# KiCad board IO_SDR_1.1.kicad_pcb (continued)
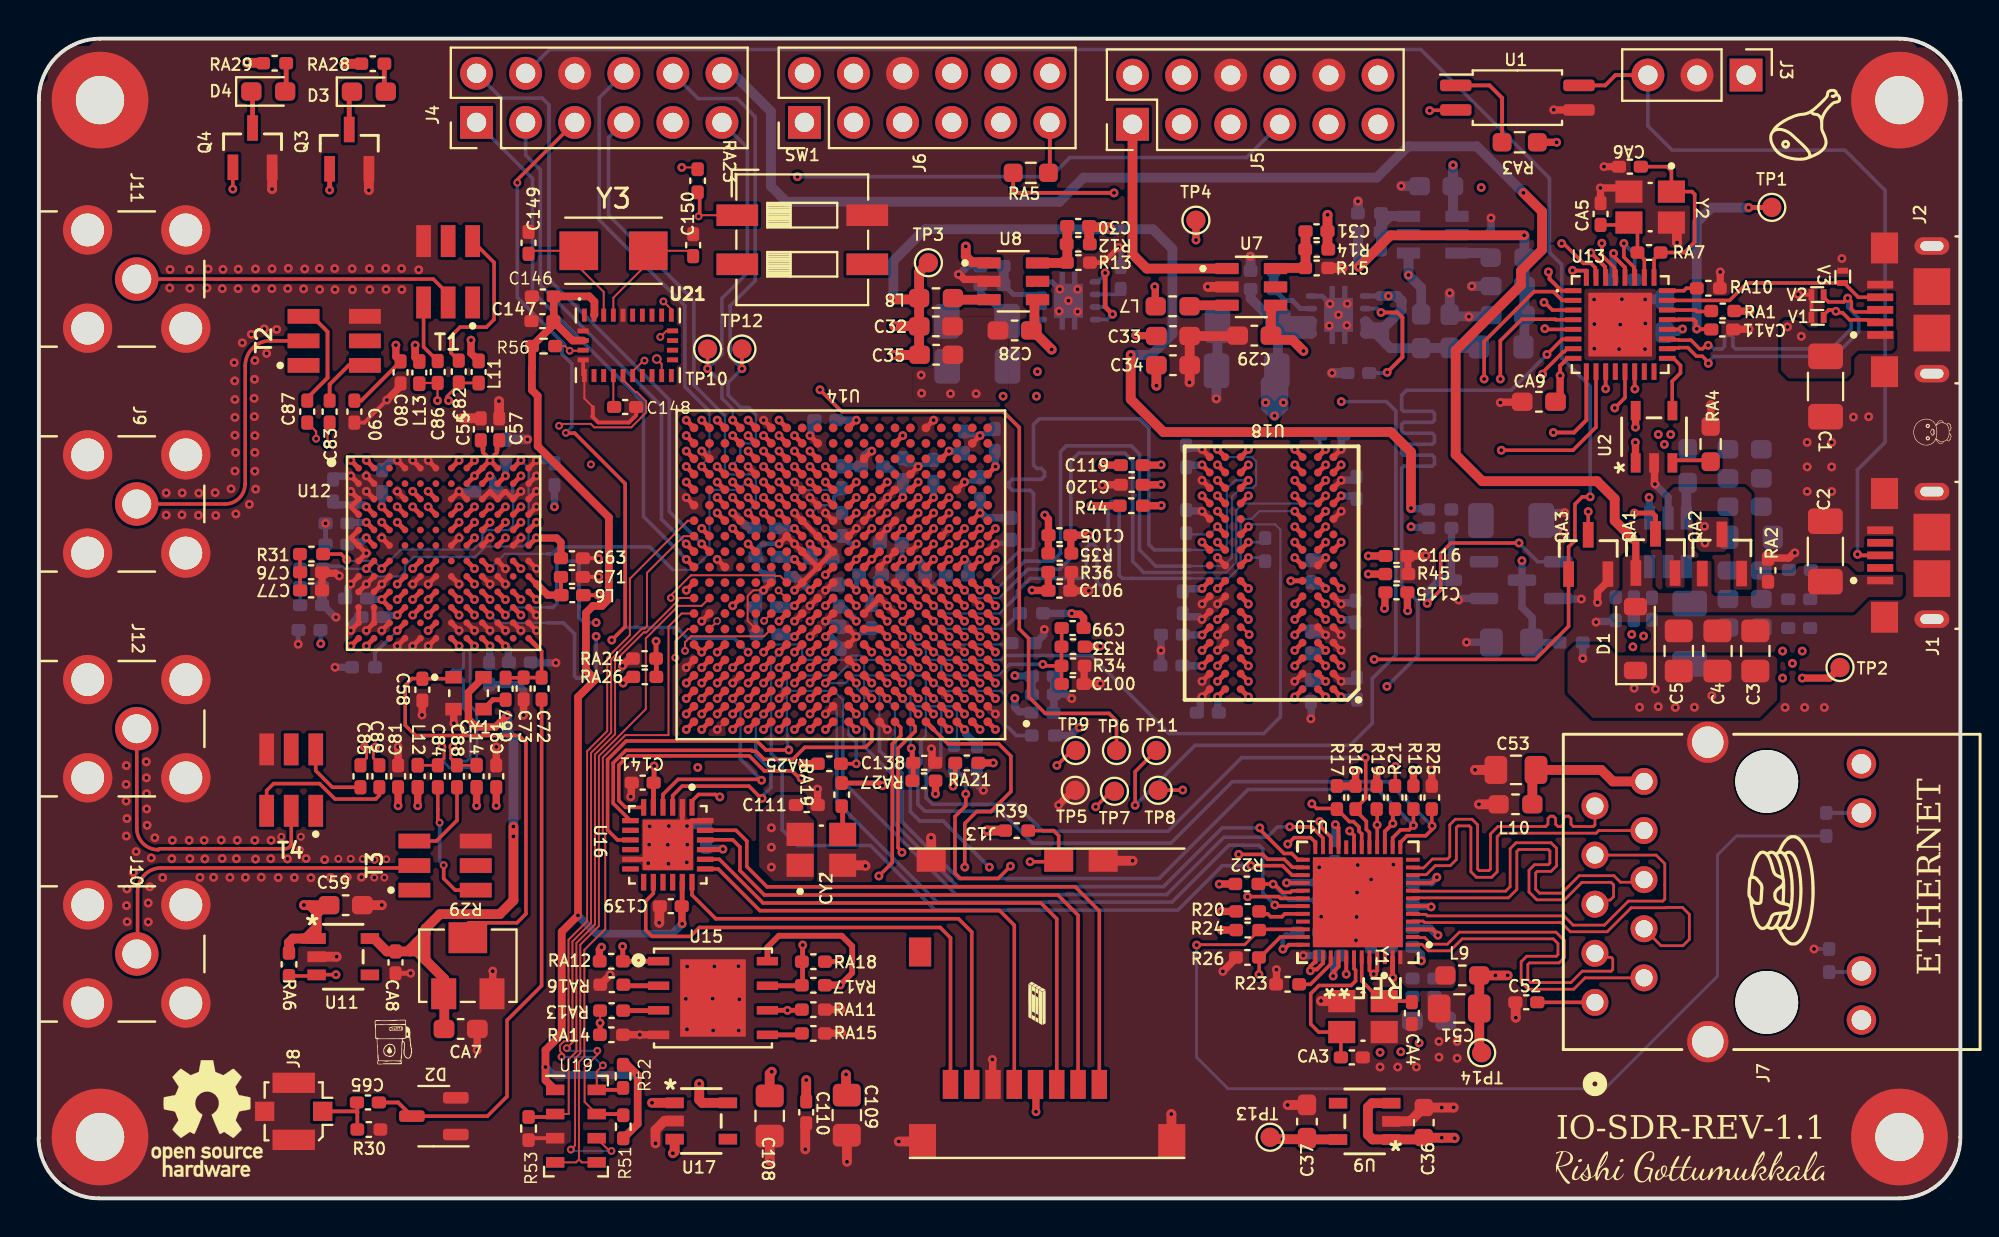
[diagram p0: board, top side]
## Routing (per net, layer and track width the routed paths; a pad name or vN(x,y) marks a point on that pad's centre or on a via; arc(x,y) is an arc through that point) (continued)
IO_L15_34_TX_D1: length 20.9
  Top.Cu w0.254: v1(34.31,40.25) U14.Y19 ; U12.D11 v1(24.95,35.77)
  In2_Sig1.Cu w0.113: v1(34.31,40.25) 34.32,40.24 34.32,39.92 34.38,39.85 35.41,39.85 35.51,39.75 35.51,39.28 35.27,39.05 34.15,39.05 33.91,38.81 33.91,38.48 33.67,38.25 32.77,38.25 31.82,37.3 31.1,37.3 30.98,37.17 30.98,36.43 30.85,36.3 30.67,36.3 30.54,36.43 30.54,37.28 30.42,37.4 30.24,37.4 30.11,37.28 30.11,36.43 29.98,36.3 29.81,36.3 29.68,36.43 29.68,37.28 29.55,37.4 29.38,37.4 29.25,37.28 29.25,36.43 29.12,36.3 28.95,36.3 28.82,36.43 28.82,37.17 28.69,37.3 28.16,37.3 27.34,36.48 26.62,36.48 26.31,36.16 25.44,36.16 25.04,35.77 v1(24.95,35.77)
IO_L15P_T2: length 37.3
  Top.Cu w0.254: U14.F19 v1(34.31,28.25) U14.F20
  In2_Sig1.Cu w0.113: J6.2 37.86,56.43 37.86,48.99 40.55,46.3 40.55,42.24 41.56,41.23 41.56,35.42 41.11,34.96 41.11,34.48 40.88,34.25 39.75,34.25 39.51,34.01 39.51,33.68 39.27,33.45 38.92,33.45 36.35,30.88 36.22,30.88 36.3,30.81 36.3,30.24 v1(34.31,28.25)
IO_L16_34_TX_D2: length 20.3
  Top.Cu w0.254: U12.E11 v1(24.95,34.97) ; v1(33.51,37.85) U14.U20
  In2_Sig1.Cu w0.113: 24.96,34.97 24.96,35.3 24.89,35.37 24.62,35.37 24.56,35.3 24.56,34 24.79,33.77 25.92,33.77 26.15,34 26.15,34.96 26.38,35.19 27.31,35.19 27.44,35.32 27.44,36.07 27.57,36.2 27.74,36.2 27.87,36.07 27.87,35.3 28,35.17 28.17,35.17 28.3,35.3 28.3,35.98 28.43,36.11 28.6,36.11 28.73,35.98 28.73,35.3 28.86,35.17 29.03,35.17 29.16,35.3 29.16,35.89 29.29,36.01 29.47,36.01 29.6,35.89 29.6,35.3 29.72,35.17 29.9,35.17 30.03,35.3 30.03,35.89 30.16,36.01 30.33,36.01 30.46,35.89 30.46,35.49 30.59,35.36 30.77,35.36 33.21,37.79 33.46,37.79 v1(33.51,37.85)
IO_L16_34_TX_D3: length 20
  Top.Cu w0.254: U12.D10 v1(24.15,35.77) ; v1(33.51,38.65) U14.V20
  In2_Sig1.Cu w0.113: v1(24.15,35.77) 24.55,36.16 25.12,36.16 25.35,36.4 25.35,36.73 25.59,36.96 26.31,36.96 26.64,37.3 26.64,37.48 26.45,37.66 26.45,37.85 26.58,37.97 26.76,37.97 27.45,37.28 27.63,37.28 27.75,37.4 27.75,37.58 27.43,37.9 27.43,38.09 27.99,38.65 28.81,38.65 28.94,38.52 28.94,37.82 29.07,37.69 29.24,37.69 29.37,37.82 29.37,38.52 29.5,38.65 29.67,38.65 29.8,38.52 29.8,37.82 29.93,37.69 30.1,37.69 30.23,37.82 30.23,38.52 30.36,38.65 30.53,38.65 30.66,38.52 30.66,37.82 30.79,37.69 30.96,37.69 31.09,37.82 31.09,38.52 31.22,38.65 31.39,38.65 31.52,38.52 31.52,37.97 31.65,37.84 31.83,37.84 31.96,37.97 31.96,38.52 32.08,38.65 v1(33.51,38.65)
IO_L17_34_TX_D4: length 20.8
  Top.Cu w0.254: v1(33.51,39.45) U14.W20 ; U12.E10 v1(24.15,34.97)
  In2_Sig1.Cu w0.113: v1(33.51,39.45) 32.41,39.45 32.28,39.58 32.28,39.9 32.16,40.03 31.98,40.03 31.85,39.9 31.85,39.07 31.72,38.94 31.55,38.94 31.42,39.07 31.42,39.9 31.29,40.03 31.12,40.03 30.99,39.9 30.99,39.07 30.86,38.94 30.69,38.94 30.56,39.07 30.56,39.32 30.43,39.45 30.26,39.45 30.13,39.32 30.13,39.07 30,38.94 29.83,38.94 29.7,39.07 29.7,39.32 29.57,39.45 29.4,39.45 29.27,39.32 29.27,39.07 29.14,38.94 28.97,38.94 28.84,39.07 28.84,39.32 28.71,39.45 27.65,39.45 27.34,39.14 27.34,38.96 27.53,38.78 27.53,38.59 27.4,38.47 27.22,38.47 26.51,39.18 26.33,39.18 26.21,39.06 26.21,38.87 26.55,38.53 26.55,38.35 25.97,37.77 25.59,37.77 25.35,37.53 25.35,37.2 25.12,36.96 24.79,36.96 23.76,35.93 23.76,35.36 v1(24.15,34.97)
IO_L17_34_TX_D5: length 20.7
  Top.Cu w0.254: U12.D9 v1(23.35,35.77) ; v1(35.11,40.25) U14.Y18
  In2_Sig1.Cu w0.113: v1(23.35,35.77) 23.41,35.82 23.41,36.05 24.55,37.19 24.55,37.53 24.79,37.77 25.12,37.77 25.36,38.01 25.36,38.33 25.83,38.8 25.83,39.99 26.15,40.32 27.39,40.32 27.52,40.19 27.52,39.87 27.64,39.74 27.82,39.74 27.95,39.87 27.95,40.35 28.08,40.48 28.25,40.48 28.38,40.35 28.38,39.87 28.51,39.74 28.68,39.74 28.81,39.87 28.81,40.35 28.94,40.48 29.11,40.48 29.24,40.35 29.24,39.87 29.37,39.74 29.54,39.74 29.67,39.87 29.67,40.35 29.8,40.48 29.97,40.48 30.1,40.35 30.1,39.87 30.23,39.74 30.4,39.74 30.53,39.87 30.53,40.19 30.66,40.32 32.05,40.32 32.37,40.65 34.71,40.65 v1(35.11,40.25)
IO_L18_34_TX_D6: length 20.3
  Top.Cu w0.254: U12.E9 v1(23.35,34.97) ; v1(36.71,39.45) U14.W16
  In2_Sig1.Cu w0.113: v1(36.71,39.45) 36.31,39.85 36.31,40.45 35.64,41.12 26.27,41.12 24.17,39.02 24.17,38.31 23.75,37.89 23.75,37.13 22.96,36.33 22.96,35.45 23.35,35.05 v1(23.35,34.97)
IO_L18_34_TX_D7: length 20
  Top.Cu w0.254: v1(36.71,38.65) U14.V16 ; 22.15,35.37 v1(22.55,35.77)
  In2_Sig1.Cu w0.113: v1(22.55,35.77) 22.55,35.52 22.95,35.12 22.95,34 23.42,33.54 26.19,33.54 27.53,34.88 30.78,34.88 32.81,36.91 33.35,37.45 33.68,37.45 33.91,37.69 33.91,38.01 34.15,38.25 35.28,38.25 35.51,38.49 35.51,38.81 35.75,39.05 36.64,39.05 36.71,38.98 36.71,38.65 v1(36.71,38.65)
IO_L19_34_TX_D8: length 19.5
  Top.Cu w0.254: v1(35.91,36.25) U14.R17 ; 22.15,34.57 v1(22.55,34.97)
  In5_Sig2.Cu w0.113: v1(22.55,34.97) 22.95,34.57 22.95,34.01 23.19,33.77 25.92,33.77 26.78,34.63 27.1,34.63 28.75,36.28 29.55,36.28 29.67,36.15 29.67,35.97 29.8,35.84 29.98,35.84 30.11,35.97 30.11,36.23 30.23,36.36 30.41,36.36 30.54,36.23 30.54,35.97 30.67,35.84 30.84,35.84 30.97,35.97 30.97,36.23 31.1,36.36 31.27,36.36 31.4,36.23 31.4,35.97 31.53,35.84 31.7,35.84 31.83,35.97 31.83,36.15 31.96,36.28 32.99,36.28 33.06,36.2 33.06,35.76 33.15,35.67 33.5,35.67 34.47,36.65 35.43,36.65 35.83,36.25 v1(35.91,36.25)
IO_L19_34_TX_D9: length 19.6
  Top.Cu w0.254: 21.35,35.37 v1(21.75,35.77) ; v1(36.71,36.25) U14.R16
  In5_Sig2.Cu w0.113: v1(21.75,35.77) 21.84,35.77 23.04,36.97 24.32,36.97 24.55,37.2 24.55,37.53 24.79,37.76 26.14,37.76 27.15,38.77 29.36,38.77 29.37,38.78 32.75,38.78 32.77,38.76 33.08,38.76 33.35,39.04 35.29,39.04 36.31,38.01 36.31,36.73 36.71,36.33 v1(36.71,36.25)
IO_L20_34_TX_D10: length 15.4
  Top.Cu w0.254: v1(35.11,36.25) U14.R18 ; 22.15,33.77 v1(22.55,34.17)
  In5_Sig2.Cu w0.113: v1(35.11,36.25) 34.16,35.3 28.3,35.3 26.54,33.54 22.65,33.54 22.55,33.63 v1(22.55,34.17)
IO_L20_34_TX_D11: length 19
  Top.Cu w0.254: 21.35,34.57 v1(21.75,34.97) ; v1(35.91,37.05) U14.T17
  In5_Sig2.Cu w0.113: v1(21.75,34.97) 21.76,34.97 21.76,35.3 21.83,35.36 22.89,35.36 22.95,35.43 22.95,36.56 23.08,36.69 23.39,36.69 23.44,36.64 23.44,36.41 23.51,36.34 24.17,36.34 24.79,36.96 26.18,36.96 27.77,38.56 29.45,38.56 29.46,38.57 32.66,38.57 32.98,38.25 35.28,38.25 35.51,38.01 35.51,37.53 35.91,37.13 v1(35.91,37.05)
IO_L23_35_SPI_CLK: length 20.6
  Top.Cu w0.254: v1(34.31,25.05) U14.B19 ; v1(19.35,30.97) U12.J5
  In2_Sig1.Cu w0.113: v1(34.31,25.05) 34.31,25.14 34.13,25.32 34.13,25.46 33.91,25.68 33.91,26.14 33.8,26.25 30.87,26.25 30.85,26.26 23.48,26.26 22.16,27.58 22.16,28.73 21.92,28.97 21.59,28.97 21.35,29.21 21.35,29.55 20.91,30 20.91,30.78 20.32,31.36 19.84,31.36 19.44,30.97 v1(19.35,30.97)
IO_L23_35_SPI_ENB: length 19.2
  Top.Cu w0.254: v1(20.15,30.17) U12.K6 ; v1(33.51,24.25) U14.A20
  In2_Sig1.Cu w0.113: v1(33.51,24.25) 33.2,23.94 23.92,23.94 20.67,27.18 20.67,28.61 20.32,28.96 19.99,28.96 19.76,29.2 19.76,29.68 20.15,30.08 v1(20.15,30.17)
IO_L24_35_SPI_D0: length 18.9
  Top.Cu w0.254: v1(20.15,29.37) U12.L6 ; v1(33.51,25.85) U14.C20
  In2_Sig1.Cu w0.113: v1(20.15,29.37) 20.24,29.37 20.9,28.7 20.9,28.3 21.25,27.95 21.25,27.21 23.98,24.49 33.19,24.49 33.35,24.65 33.67,24.65 33.91,24.88 33.91,25.37 33.51,25.76 v1(33.51,25.85)
IO_L24_35_SPI_DI: length 19.7
  Top.Cu w0.254: v1(33.51,25.05) U14.B20 ; v1(18.55,30.97) U12.J4
  In2_Sig1.Cu w0.113: v1(18.55,30.97) 18.64,30.97 19.04,30.57 20.41,30.57 20.68,30.3 20.68,29.43 21.36,28.75 21.36,28.33 21.74,27.95 21.74,27.34 23.49,25.59 25.55,25.59 26.09,25.05 v1(33.51,25.05)
IO_L24N: length 25.1
  Top.Cu w0.254: v1(36.71,35.45) U14.P16
  Bottom.Cu w0.113: 35.51,40.46 35.51,37.68 35.75,37.45 36.88,37.45 37.11,37.21 37.11,35.93 36.71,35.53 v1(36.71,35.45)
  Bottom.Cu w0.186: 35.51,40.46 33.9,42.07 33.9,46.44 29.49,50.86 29.49,54.86 J4.7
JTAG_BOOT: length 66.2
  Top.Cu w0.254: v1(41.44,12.29) 41.39,12.24 RA18.2
  In5_Sig2.Cu w0.113: J5.11 69.3,48.23 70.58,46.95 70.58,44.97 70.3,44.69 70.3,29.8 70.91,29.19 70.91,26.32 65.71,21.13 61.72,21.13 56.36,15.76 50.79,15.76 47.31,12.28 41.45,12.28 v1(41.44,12.29)
MAC_MDIO: length 49.2
  Top.Cu w0.186: v1(70.2,22.34) 70.2,21.34 R21.2 ; v1(63.97,15.17) 64.02,15.11 U10.31
  Top.Cu w0.254: v1(40.71,25.85) U14.C11
  In5_Sig2.Cu w0.113: v1(63.97,15.17) 65.06,15.17 65.63,15.73 65.63,19.52 67.3,21.19 69.82,21.19 70.2,21.57 v1(70.2,22.34)
  Bottom.Cu w0.113: 41.29,23.68 41.29,25.27 v1(40.71,25.85)
  Bottom.Cu w0.186: 41.29,23.68 41.29,20.51 46.48,15.32 58.65,15.32 61.59,18.26 62.29,18.26 62.3,18.26 63.15,18.26 63.34,18.07 63.34,15.8 v1(63.97,15.17)
PHY_RST: length 5.3
  Top.Cu w0.186: R22.1 63.12,16.25 63.87,16.25 v1(63.87,16.25) 63.95,16.25 64.28,15.91 64.29,15.91 64.37,15.83 64.77,15.83 64.85,15.91 65.41,15.91 U10.29
  Bottom.Cu w0.203: v1(63.87,16.25) 63.87,16.25 64.7,15.42 C39.1
PHY_RXCLK: length 48.7
  Top.Cu w0.186: v1(67.84,19) 68.06,18.78 U10.19
  Top.Cu w0.254: v1(35.91,25.05) U14.B17
  In2_Sig1.Cu w0.113: v1(35.91,25.05) 36,25.05 36.4,24.65 37.67,24.65 37.91,24.41 37.91,22.95 38.73,22.13 38.73,20.26 43.02,15.97 57.47,15.97 62.12,20.61 65.48,20.61 65.7,20.84 70.31,20.84 70.63,20.51 70.63,18.98 70.26,18.61 68.23,18.61 v1(67.84,19)
PHY_RXD0: length 44.2
  Top.Cu w0.186: U10.14 70.06,18.64 70.48,19.06 70.91,19.06 v1(71.14,19.29) R18.2
  Top.Cu w0.254: v1(40.71,26.65) U14.D11
  Bottom.Cu w0.113: v1(40.71,26.65) 41.75,26.65 42.15,27.05 42.48,27.05 42.71,26.81 42.71,26.48 42.95,26.25 43.27,26.25 43.51,26.01 43.51,23.68
  Bottom.Cu w0.186: v1(71.14,19.29) 69.28,21.14 62.58,21.14 57.98,16.55 47.6,16.55 44.67,19.48 44.67,21.99 43.51,23.15 43.51,23.68
PHY_RXD1: length 43.1
  Top.Cu w0.186: U10.16 69.26,19.98 69.11,20.13
  Top.Cu w0.254: v1(36.71,24.25) U14.A16
  In2_Sig1.Cu w0.113: v1(69.26,19.31) 68.6,19.98 62.3,19.98 57.71,15.39 42.78,15.39 38.16,20.01 37.43,20.01 36.71,20.73 v1(36.71,24.25)
PHY_RXD2: length 47.5
  Top.Cu w0.186: v1(68.65,22.79) 68.67,22.77 68.67,20.7 68.37,20.4 68.37,20.36 R16.2 ; U10.17 68.86,18.93 68.7,19.09 68.7,19.5 68.37,19.83 68.37,19.87 68.14,20.1
  Top.Cu w0.254: v1(37.51,28.25) U14.F15
  Bottom.Cu w0.113: 46.68,23.68 46.68,24.06 46.71,24.08 46.71,25.21 46.47,25.45 46.15,25.45 45.91,25.69 45.91,26.81 45.67,27.05 45.35,27.05 45.11,27.28 45.11,27.61 44.87,27.85 42.79,27.85 42.57,28.07 42.05,28.07 41.83,27.85 39.75,27.85 39.51,28.09 39.51,28.41 39.28,28.65 37.99,28.65 37.59,28.25 v1(37.51,28.25)
  Bottom.Cu w0.186: 46.68,23.68 46.68,22.77 45.92,22.01 45.92,20.72 46.26,20.38 50.56,20.38 51.96,18.98 58.44,18.98 62.25,22.79 v1(68.65,22.79)
PHY_RXD3: length 40.4
  Top.Cu w0.186: v1(65.88,20.41) 66.12,20.16 67.15,20.16 R17.2 67.82,19.49 68.04,19.49 68.32,19.2 68.32,18.99 68.46,18.85 U10.18
  Top.Cu w0.254: v1(37.51,24.25) U14.A15
  In2_Sig1.Cu w0.113: v1(65.88,20.41) 65.83,20.35 65.66,20.35 65.64,20.32 62.24,20.32 57.59,15.68 42.9,15.68 38.27,20.31 38.27,21.75 37.51,22.51 v1(37.51,24.25)
PHY_TXCLK: length 42.8
  Top.Cu w0.186: U10.22 66.86,18.69 66.36,19.19 66.36,19.2 66.36,19.2 66.36,19.42 v1(66.29,19.49)
  Top.Cu w0.254: v1(34.31,24.25) U14.A19
  In2_Sig1.Cu w0.113: v1(66.29,19.49) 66.29,18.4 65.07,17.18 64.03,17.18 63.14,16.29 62.2,16.29 61.46,15.55 60.88,15.55 59.84,14.51 42.23,14.51 39.14,17.61 37.56,17.61 34.64,20.53 34.64,23.92 v1(34.31,24.25)
PHY_TXD0: length 38.5
  Top.Cu w0.186: v1(64.74,19.21) 65.88,19.21 66.45,18.64 66.45,18.17 U10.23
  Top.Cu w0.254: v1(38.31,27.45) U14.E14
  Bottom.Cu w0.113: v1(38.31,27.45) 38.31,27.37 38.71,26.97 38.71,26.48 38.95,26.25 41.13,26.25 41.62,25.77 41.62,23.68
  Bottom.Cu w0.186: v1(64.74,19.21) 64.1,19.21 63.56,18.67 61.33,18.67 58.37,15.71 47.47,15.71 41.62,21.56 41.62,23.68
PHY_TXD1: length 39.6
  Top.Cu w0.186: v1(64.64,18.32) 64.97,18.65 65.82,18.65 66.06,18.41 U10.24
  Top.Cu w0.254: v1(35.11,25.05) U14.B18
  In2_Sig1.Cu w0.113: v1(64.64,18.32) 61.06,18.32 57.83,15.1 42.66,15.1 38.04,19.72 37.31,19.72 36.31,20.72 36.31,24.41 36.07,24.65 35.59,24.65 35.19,25.05 v1(35.11,25.05)
PHY_TXD2: length 33.1
  Top.Cu w0.186: v1(63.19,19.16) 63.19,19.08 64.44,17.84 64.84,17.84 65.15,17.52 65.41,17.52 U10.25
  Top.Cu w0.254: U14.D10 v1(42.31,26.65)
  Bottom.Cu w0.113: v1(42.31,26.65) 42.36,26.6 42.36,26.36 42.71,26.01 42.71,23.68
  Bottom.Cu w0.186: v1(63.19,19.16) 61.25,19.16 58.21,16.12 47.54,16.12 44.25,19.42 44.25,21.84 42.71,23.38 42.71,23.68
PHY_TXD3: length 37.8
  Top.Cu w0.186: U10.26 65.41,17.12 64.87,17.12 64.46,17.54 63.59,17.54 63.34,17.79 v1(62.1,17.79)
  Top.Cu w0.254: v1(35.91,24.25) U14.A17
  In2_Sig1.Cu w0.113: v1(62.1,17.79) 60.94,17.79 57.95,14.8 42.4,14.8 38.52,18.68 37.63,18.68 35.91,20.4 v1(35.91,24.25)
PHY_TXEN: length 40
  Top.Cu w0.186: v1(62.73,17.21) 64.37,17.21 64.86,16.71 U10.27
  Top.Cu w0.254: v1(38.31,28.25) U14.F14
  Bottom.Cu w0.113: v1(38.31,28.25) 38.31,28.17 37.91,27.77 37.91,23.68
  Bottom.Cu w0.186: v1(62.73,17.21) 61.24,17.21 58.95,14.91 46.39,14.91 43.05,18.25 39.28,18.25 38.47,19.05 38.47,22.44 37.91,23 37.91,23.68
PS: length 32
  Top.Cu w0.102: U14.J20 33.15,31.05 33.07,30.98 33.07,30.9 31.44,29.27 31.31,29.27 29.83,27.79 29.83,24 28.79,22.96 28.79,14.17 27.82,13.2 27.82,7.58 27.43,7.19 27.43,4.36 U19.2
  Top.Cu w0.2: R53.1 26.58,4.21 U19.2
PS_MI00: length 126.4
  Top.Cu w0.186: v1(80.28,36.28) 79.88,36.28 79.5,35.9 79.5,34.02 79.17,33.69 79.17,29.59 77.45,27.87 v1(69.11,27.87)
  Top.Cu w0.254: U14.E6 v1(45.51,27.45)
  In5_Sig2.Cu w0.113: v1(45.51,27.45) 45.51,27.36 45.91,26.97 45.91,25.68 45.67,25.45 45.35,25.45 45.11,25.21 45.11,24.11 45.11,24.11 45.11,23.91 44.67,23.48 44.67,23.08 44.99,22.76 45.9,22.76 46.53,22.13 48.59,22.13 49.17,21.55 57.85,21.55 58.51,22.21 65.35,22.21 68.61,25.47 68.61,27.38 v1(69.11,27.87)
  Bottom.Cu w0.186: v1(80.28,36.28) 80.28,42 78.81,43.47 78.81,48.3 78.17,48.93 78.17,52.77 71.52,59.42 26.43,59.42 J4.4
PS_MI09: length 39.8
  Top.Cu w0.254: U14.B5 v1(46.31,25.05)
  In2_Sig1.Cu w0.113: J6.12 51.07,56.94 51.07,54.34 45.5,48.77 45.5,43.58 43.99,42.07 43.99,38.44 43.51,37.96 43.51,36.09 43.51,36.08 43.51,32.46 42.71,31.66 42.71,29.68 43.75,28.65 44.07,28.65 44.31,28.41 44.31,28.09 44.55,27.85 44.88,27.85 45.11,27.61 45.11,27.29 45.35,27.05 45.67,27.05 45.91,26.81 45.91,25.53 46.31,25.13 v1(46.31,25.05)
PS_MI011: length 52
  Top.Cu w0.186: v1(29.66,28.87) 30.35,29.56 30.35,36.97 27.74,39.58 27.3,39.58 v2(27.28,39.59) ; v2(24.77,52.53) 24.77,52.68 J4.5
  Top.Cu w0.254: U14.C6 v1(45.51,25.85)
  In2_Sig1.Cu w0.113: v1(45.51,25.85) 45.51,25.93 45.11,26.33 45.11,26.81 44.87,27.05 44.55,27.05 44.31,27.28 44.31,27.61 44.07,27.85 43.75,27.85 43.51,28.09 43.51,28.41 42.48,29.45 41.75,29.45 40.95,30.25 38.95,30.25 38.71,30.01 38.71,29.68 37.84,28.81 37.28,28.81 v1(36.71,28.25)
  Bottom.Cu w0.186: v1(29.66,28.87) 30.31,29.52 33.01,29.52 33.57,28.97 35.99,28.97 v1(36.71,28.25) ; v2(24.77,52.53) 24.77,46.59 27.22,44.14 27.08,44 27.08,43.68 27.59,43.17 27.59,39.9 v2(27.28,39.59)
PS_MI046: length 46.8
  Top.Cu w0.254: v1(36.71,26.65) U14.D16
  In5_Sig2.Cu w0.113: J6.9 48.53,56.9 48.53,59.01 48.2,59.34 44.04,59.34 43.48,58.79 43.48,54.82 40.99,52.33 40.99,39.66 42.71,37.94 42.71,36.88 42.48,36.65 42.15,36.65 41.91,36.41 41.91,36.08 41.44,35.61 41.44,34.81 40.87,34.25 40.55,34.25 40.31,34.01 40.31,33.19 38.72,31.61 38.72,31.34 37.62,30.23 37.39,30.23 37.11,29.96 37.11,27.13 36.71,26.73 v1(36.71,26.65)
PS_MI048: length 35.4
  Top.Cu w0.254: v1(39.91,25.05) U14.B12
  In5_Sig2.Cu w0.113: J6.7 47.24,52.14 43.2,48.09 43.2,40.78 43.73,40.24 43.73,37.44 43.51,37.21 43.51,36.09 43.28,35.85 42.88,35.85 42.71,35.68 42.71,35.28 42.48,35.05 42.15,35.05 41.89,34.79 41.89,34.63 41.55,34.28 41.55,26.12 40.87,25.45 40.39,25.45 39.99,25.05 v1(39.91,25.05)
PS_MI049: length 37.1
  Top.Cu w0.254: v1(39.91,25.85) U14.C12
  In5_Sig2.Cu w0.113: v1(39.91,25.85) 39.99,25.85 40.39,26.25 40.87,26.25 41.12,26.49 41.12,34.17 41.66,34.72 41.66,34.88 41.87,35.09 41.87,35.57 42.15,35.85 42.47,35.85 42.71,36.09 42.71,36.57 43.29,37.14 43.29,38.26 43.51,38.48 43.51,39.78 42.77,40.52 42.77,50.99 46.02,54.24 46.02,56.96 J6.8
PS_MI052: length 40.5
  Top.Cu w0.203: RA5.2 52.32,53.11 J6.11
  Top.Cu w0.254: U14.C10 v1(42.31,25.85)
  In5_Sig2.Cu w0.113: v1(42.31,25.85) 41.77,26.39 41.77,33.87 42.15,34.25 42.47,34.25 42.71,34.48 42.71,34.9 42.86,35.05 43.28,35.05 43.51,35.29 43.51,35.61 43.75,35.85 44.07,35.85 44.31,36.09 44.31,40.43 43.63,41.11 43.63,47.76 45.78,49.92 48.68,49.92 52.32,53.56 J6.11
PS_MIO01_500_QSPI0_SS_B: length 26
  Top.Cu w0.186: v1(43.48,16.67) 44.17,17.36 44.17,23.49 44.61,23.93 44.61,24.35 U14.A7
  Top.Cu w0.254: v1(30.22,13.03) 30.23,13.02 RA12.2 32.07,12.26 U15.1
  In5_Sig2.Cu w0.113: v1(43.48,16.67) 42.23,15.43 38.12,15.43 35.72,13.03 v1(30.22,13.03)
PS_MIO02_500_QSPI0_IO0: length 1.8
  Top.Cu w0.254: U15.5 39.42,8.46 RA15.1
PS_MIO03_500_QSPI0_IO1: length 1.8
  Top.Cu w0.254: U15.2 30.31,11 RA16.1
PS_MIO04_500_QSPI0_IO2: length 1.8
  Top.Cu w0.254: RA13.1 32.06,9.71 U15.3
PS_MIO05_500_QSPI0_IO3: length 20.1
  Top.Cu w0.186: U14.A6 45.36,24.4 45.36,24.16 44.47,23.27 44.47,18.14 44.67,17.93 v1(44.67,17.89)
  Top.Cu w0.254: U15.7 39.47,11 RA17.2 39.53,11.06 39.53,13.09 v1(39.54,13.1)
  In5_Sig2.Cu w0.113: v1(39.54,13.1) 39.54,14.39 39.89,14.74 43.27,14.74 44.67,16.14 v1(44.67,17.89)
PS_MIO06_500_QSPI0_SCLK: length 27.1
  Top.Cu w0.186: 46.31,24.25 47.05,23.5 49.68,23.5 50.31,22.87 50.31,21.04 49.27,20 48.53,20 47.92,19.39 v1(47.92,17.13)
  Top.Cu w0.254: RA11.1 39.46,9.73 v1(38.75,9.73) U15.6 ; U14.A5 46.31,24.25
  In5_Sig2.Cu w0.113: v1(47.92,17.13) 44.85,14.06 41.79,14.06 38.81,11.07 38.81,9.78 v1(38.75,9.73)
PS_MIO07_500_USB_RESET_B: length 44.2
  Top.Cu w0.186: v1(82.03,49.39) 82.03,48.68 82.55,48.16 82.55,47.67 U13.27
  In2_Sig1.Cu w0.113: v1(82.03,49.39) 82.03,54.86 77.44,59.45 51.04,59.45 J6.10
  Bottom.Cu w0.203: v1(82.03,49.39) 82.59,48.83 RA9.1
PS_MIO28_501_USB0_D4: length 82
  Top.Cu w0.186: v1(77.82,42.63) 77.82,42.71 78.89,43.78 78.94,43.78 79.1,43.94 U13.7
  Top.Cu w0.254: v1(36.71,25.85) U14.C16
  In2_Sig1.Cu w0.113: v1(77.82,42.63) 78.68,41.77 79.19,41.77 80.49,40.47 80.49,37.42 79.55,36.48 79.55,34.17 78.86,33.49 78.86,25.79 73.27,20.2 73.27,19.34 71.93,17.99 68.09,17.99 64.25,14.15 63.28,14.15 62.52,13.39 60.63,13.39 60.27,13.75 42.23,13.75 39.57,16.42 37.59,16.42 36.87,17.13 36.87,17.89 34.11,20.66 v1(34.11,22.29)
  In5_Sig2.Cu w0.113: v1(34.11,22.29) 34.11,22.65 35.51,24.05 35.51,24.41 35.75,24.65 36.08,24.65 36.31,24.89 36.31,25.37 36.71,25.77 v1(36.71,25.85)
PS_MIO29_501_USB0_DIR: length 73.2
  Top.Cu w0.186: v1(78.81,49.39) 78.91,49.39 79.94,48.36 80.32,48.36 80.55,48.13 80.55,47.67 U13.31
  Top.Cu w0.254: v1(39.11,25.85) U14.C13
  In2_Sig1.Cu w0.113: v1(39.11,25.85) 39.19,25.85 39.6,26.25 40.08,26.25 40.31,26.49 40.31,26.81 40.55,27.05 40.88,27.05 41.35,26.57 41.35,26.25 42.15,25.45 42.47,25.45 42.71,25.21 42.71,24.87 42.94,24.65 43.28,24.65 43.51,24.41 43.51,23.8 43.77,23.54 43.77,22.6 44.49,21.89 44.49,20.95 45.82,19.61 48.56,19.61 48.75,19.8 49.85,19.8 50.17,19.48 58.43,19.48 61.3,22.36 64.76,22.36 64.98,22.58 66.59,22.58 68.37,24.35 73.01,24.35 75.62,26.96 75.62,37.92 76.14,38.44 76.14,47.94 77.59,49.39 v1(78.81,49.39)
PS_MIO30_501_USB0_STP: length 82.9
  Top.Cu w0.186: U13.29 81.53,47.68 81.53,48.14 80.89,48.78 v1(80.89,49.4)
  Top.Cu w0.254: v1(37.51,25.85) U14.C15
  In2_Sig1.Cu w0.113: v1(37.51,25.85) 37.59,25.85 37.99,26.25 38.48,26.25 38.71,26.01 38.71,25.69 38.95,25.45 40.08,25.45 40.31,25.68 40.31,26 40.31,26.01 40.31,26.01 40.55,26.25 40.97,26.25 41.56,25.66 41.56,25.24 42.15,24.65 42.47,24.65 42.47,24.65 42.48,24.65 42.71,24.41 42.71,23.89 43.31,23.29 43.31,22.48 44.2,21.59 44.2,20.78 45.65,19.32 48.68,19.32 48.87,19.51 49.73,19.51 50.05,19.19 58.64,19.19 61.52,22.07 64.88,22.07 65.1,22.29 66.71,22.29 68.49,24.06 73.13,24.06 75.91,26.84 75.91,37.73 76.45,38.26 76.45,47.63 77.41,48.6 79.01,48.6 79.4,49 79.4,50.14 79.16,50.38 78.18,50.38 78.07,50.48 78.07,51.37 78.18,51.47 80.77,51.47 80.89,51.35 v1(80.89,49.4)
PS_MIO31_501_USB0_NXT: length 82.9
  Top.Cu w0.186: v1(74.8,42.38) 74.8,44.32 77.38,46.9 78.38,46.9 78.83,46.45 79.4,46.45 U13.2
  Top.Cu w0.254: v1(36.71,27.45) U14.E16
  In2_Sig1.Cu w0.113: v1(74.8,42.38) 73.27,42.38 73.04,42.15 73.04,41.42 72.93,41.31 71.43,41.31 71.31,41.19 71.31,40.86 71.43,40.75 73.06,40.75 73.17,40.64 73.17,40.3 73.06,40.19 71.43,40.19 71.31,40.08 71.31,39.74 71.43,39.63 73.06,39.63 73.17,39.52 73.17,39.19 73.06,39.07 71.43,39.07 71.31,38.96 71.31,38.63 71.43,38.52 72.93,38.52 73.04,38.4 73.04,32.34 73.96,31.43 73.96,30.38 73.79,30.21 73.3,30.21 73.04,29.96 73.04,26.25 72.02,25.22 67.9,25.22 66.13,23.45 64.62,23.45 64.4,23.23 60.9,23.23 59.86,22.18 54.06,22.18 53.08,21.19 51.3,21.19 50.8,20.7 48.36,20.7 48.15,20.48 47.54,20.48 46.68,21.35 46.68,23.45 46.36,23.77 46.23,23.77 45.91,24.09 45.91,24.41 45.67,24.65 45.35,24.65 45.11,24.89 45.11,25.21 44.87,25.45 44.55,25.45 44.31,25.69 44.31,26.01 44.07,26.25 43.75,26.25 43.51,26.49 43.51,26.81 43.27,27.05 42.95,27.05 42.71,27.29 42.71,27.61 40.88,29.45 38.95,29.45 37.91,28.41 37.91,28.09 37.67,27.85 37.19,27.85 36.79,27.45 v1(36.71,27.45)
PS_MIO32_501_USB0_D0: length 82.8
  Top.Cu w0.186: v1(77.9,46.34) 77.93,46.34 78.33,45.94 U13.3
  Top.Cu w0.254: v1(38.31,24.25) U14.A14
  In2_Sig1.Cu w0.113: v1(38.31,24.25) 38.71,23.85 40.08,23.85 40.31,24.09 40.31,24.41 40.55,24.65 41.03,24.65 41.3,24.38 41.3,21.52 44.14,18.68 44.14,17.31 44.9,16.55 52.49,16.55 52.6,16.66 52.6,17.38 52.72,17.49 53.05,17.49 53.16,17.38 53.16,16.66 53.27,16.55 53.61,16.55 53.72,16.66 53.72,17.38 53.83,17.49 54.17,17.49 54.28,17.38 54.28,16.66 54.39,16.55 54.72,16.55 54.84,16.66 54.84,17.38 54.95,17.49 55.28,17.49 55.39,17.38 55.39,16.66 55.51,16.55 57.23,16.55 61.88,21.2 65.24,21.2 65.46,21.42 72.2,21.42 78.05,27.26 78.05,36.11 79.67,37.74 79.67,40.07 78.91,40.83 77.39,40.83 77.03,41.18 77.03,44.26 77.27,44.5 79.11,44.5 79.22,44.6 79.22,46.24 79.11,46.34 v1(77.9,46.34)
PS_MIO33_501_USB0_D1: length 82.6
  Top.Cu w0.186: U13.4 78.5,45.44 78.48,45.47 76.75,45.47 75.63,44.36 v1(75.63,42.38)
  Top.Cu w0.254: v1(37.51,26.65) U14.D15
  In2_Sig1.Cu w0.113: v1(75.63,42.38) 75.63,41.97 75.43,41.77 73.83,41.77 73.55,41.49 73.55,41.02 73.66,40.91 74.78,40.91 74.89,40.8 74.89,40.46 74.78,40.35 73.57,40.35 73.46,40.24 73.46,39.9 73.57,39.79 74.78,39.79 74.89,39.68 74.89,39.34 74.78,39.23 73.57,39.23 73.46,39.12 73.46,38.79 73.57,38.67 74.78,38.67 74.89,38.56 74.89,38.23 74.78,38.12 73.54,38.12 73.43,38.01 73.43,37.67 73.54,37.56 74.78,37.56 74.89,37.45 74.89,37.11 74.78,37 73.66,37 73.55,36.89 73.55,32.42 74.34,31.63 74.34,29.91 74.16,29.73 73.65,29.73 73.4,29.47 73.4,26.02 72.31,24.93 68.13,24.93 66.35,23.16 64.74,23.16 64.52,22.94 61.02,22.94 59.98,21.89 54.26,21.89 53.27,20.9 51.42,20.9 50.92,20.41 48.53,20.41 48.32,20.19 46.13,20.19 45.23,21.09 45.23,22.26 44.67,22.82 44.67,23.5 45.11,23.94 45.11,24.41 44.87,24.65 44.55,24.65 44.31,24.88 44.31,25.21 44.07,25.45 43.75,25.45 43.51,25.68 43.51,26.01 43.27,26.25 42.95,26.25 42.71,26.49 42.71,26.81 42.47,27.05 42.15,27.05 41.78,27.42 41.78,27.8 40.93,28.65 38.95,28.65 38.71,28.41 38.71,27.28 38.47,27.05 37.99,27.05 37.59,26.65 v1(37.51,26.65)
PS_MIO34_501_USB0_D2: length 83.3
  Top.Cu w0.186: v1(77.94,44.98) 77.97,44.94 U13.5
  Top.Cu w0.254: v1(39.91,24.25) U14.A12
  In2_Sig1.Cu w0.113: v1(77.94,44.98) 76.92,44.98 76.74,44.8 76.74,40.79 77.11,40.42 78.83,40.42 79.34,39.91 79.34,37.82 77.72,36.19 77.72,27.83 73.32,23.43 72.79,23.43 72.68,23.32 72.68,22.82 72.57,22.7 72.23,22.7 72.12,22.82 72.12,23.37 72.01,23.48 71.68,23.48 71.56,23.37 71.56,22.71 71.45,22.6 71.12,22.6 71.01,22.71 71.01,23.37 70.89,23.48 70.56,23.48 70.45,23.37 70.45,22.93 70.34,22.82 70,22.82 69.89,22.93 69.89,23.32 69.78,23.43 68.68,23.43 66.95,21.71 65.34,21.71 65.12,21.49 61.76,21.49 58.83,18.55 57.77,18.55 57.65,18.44 57.65,17.49 57.54,17.38 57.21,17.38 57.1,17.49 57.1,18.5 56.98,18.61 56.65,18.61 56.54,18.5 56.54,18.05 56.43,17.94 56.09,17.94 55.98,18.05 55.98,18.5 55.87,18.61 55.53,18.61 55.42,18.5 55.42,17.89 55.31,17.78 54.98,17.78 54.86,17.89 54.86,18.5 54.75,18.61 54.42,18.61 54.31,18.5 54.31,17.89 54.19,17.78 53.86,17.78 53.75,17.89 53.75,18.5 53.64,18.61 53.3,18.61 53.19,18.5 53.19,17.89 53.08,17.78 52.74,17.78 52.63,17.89 52.63,18.5 52.52,18.61 52.19,18.61 52.07,18.5 52.07,17.91 51.96,17.8 51.63,17.8 51.52,17.91 51.52,18.44 51.4,18.55 50.67,18.55 49.75,17.64 45.79,17.64 41.73,21.7 41.73,24.42 41.39,24.76 41.39,24.93 40.88,25.45 40.55,25.45 40.31,25.21 40.31,24.73 39.91,24.33 v1(39.91,24.25)
PS_MIO35_501_USB0_D3: length 80.2
  Top.Cu w0.186: v1(78.05,43.65) 78.83,44.43 79.39,44.43 U13.6
  Top.Cu w0.254: v1(39.91,28.25) U14.F12
  In5_Sig2.Cu w0.113: v1(39.91,28.25) 39.91,28.16 39.51,27.77 39.51,27.29 39.28,27.05 38.95,27.05 38.71,26.81 38.71,23.95 38.34,23.57 38.34,21.38 40.33,19.39 46.96,19.39 47.8,18.55 51.02,18.55 51.02,18.55 57.55,18.55 57.91,18.91 58.41,18.91 60.92,21.42 65.49,21.42 69.77,25.69 v1(69.77,26.48)
  Bottom.Cu w0.186: v1(78.05,43.65) 76.19,41.79 70.78,41.79 70.53,41.54 70.53,40.82 70.64,40.7 72.11,40.7 72.22,40.59 72.22,40.25 72.11,40.14 70.64,40.14 70.53,40.02 70.53,39.68 70.64,39.57 72.11,39.57 72.22,39.46 72.22,39.12 72.11,39 70.64,39 70.53,38.89 70.53,38.55 70.64,38.43 72.11,38.43 72.22,38.32 72.22,37.98 72.11,37.87 70.64,37.87 70.53,37.75 70.53,31.71 71.37,30.87 71.37,28.08 v1(69.77,26.48)